# KiCad board Infernum breakout.kicad_pcb (continued)
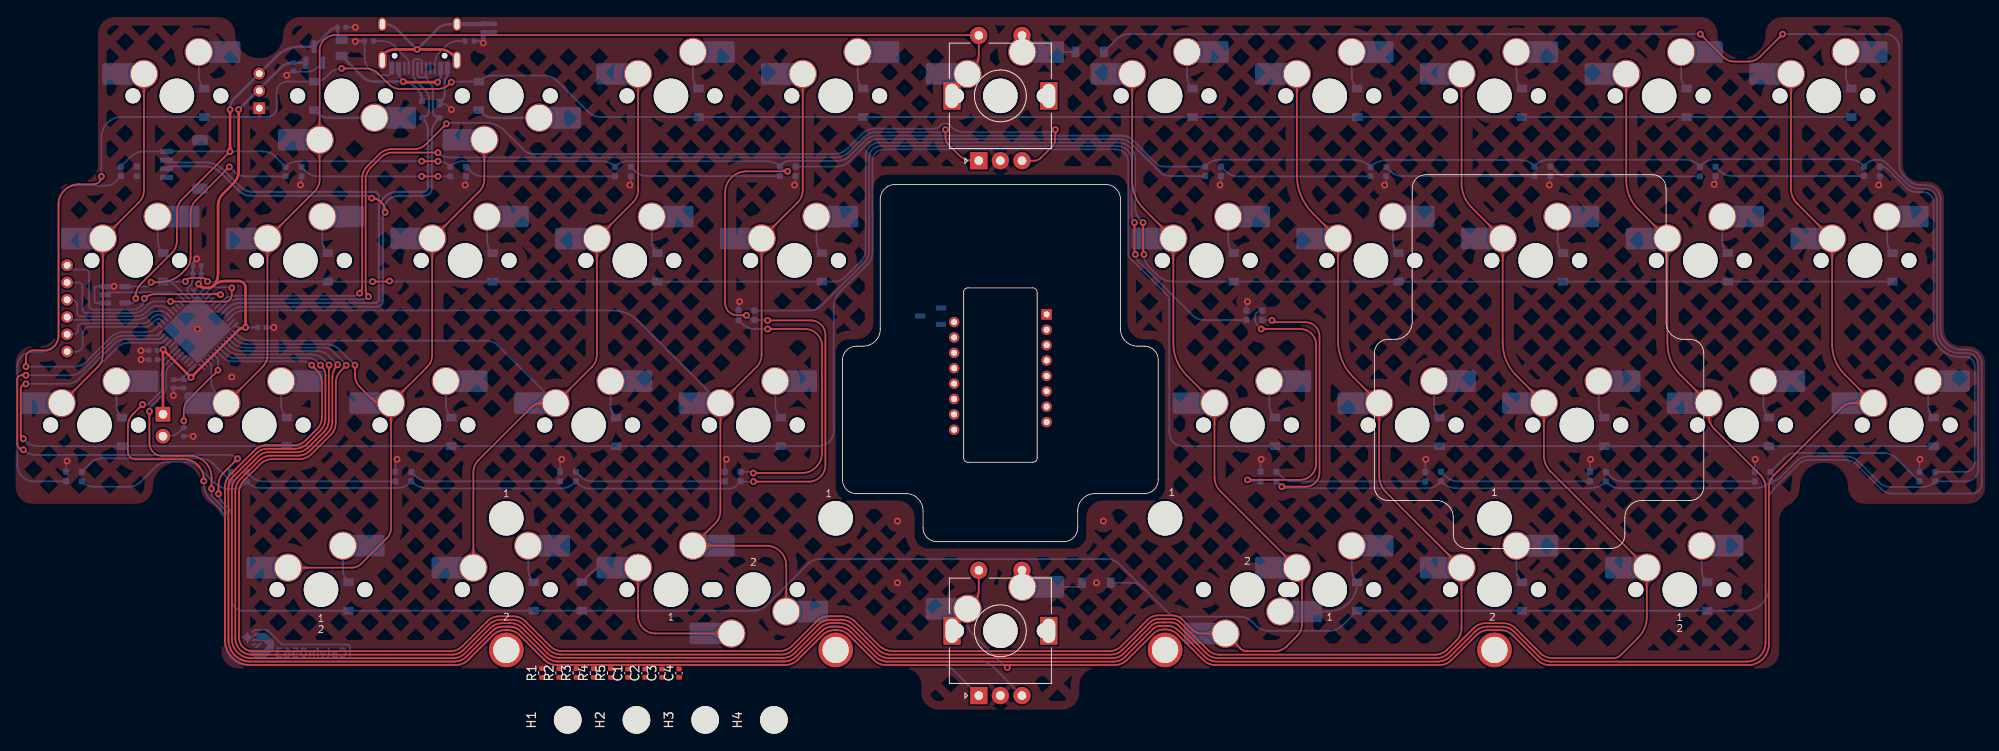
[diagram p0: board, top side]
## Routing (per net, layer and track width the routed paths; a pad name or vN(x,y) marks a point on that pad's centre or on a via; arc(x,y) is an arc through that point) (continued)
Net-(D24-A): length 4.4
  Bottom w0.2: D24.2 -45.29,15.19 arc(-45.73,15.84) -45.88,16.61 MX24.2
Net-(D25-A): length 4.4
  Bottom w0.2: D25.2 -26.24,15.19 arc(-26.68,15.84) -26.83,16.61 MX25.2
Net-(D26-A): length 4.4
  Bottom w0.2: MX26.2 -7.78,16.61 arc(-7.63,15.84) -7.19,15.19 D26.2
Net-(D27-A): length 4.4
  Bottom w0.2: MX27.2 49.37,16.61 arc(49.52,15.84) 49.96,15.19 D27.2
Net-(D28-A): length 4.4
  Bottom w0.2: D28.2 69.01,15.19 arc(68.57,15.84) 68.42,16.61 MX28.2
Net-(D29-A): length 4.4
  Bottom w0.2: MX29.2 87.47,16.61 arc(87.62,15.84) 88.06,15.19 D29.2
Net-(D30-A): length 4.4
  Bottom w0.2: D30.2 107.11,15.19 arc(106.67,15.84) 106.52,16.61 MX30.2
Net-(D31-A): length 4.4
  Bottom w0.2: MX31.2 125.57,16.61 arc(125.72,15.84) 126.16,15.19 D31.2
Net-(D32-A): length 4.4
  Bottom w0.2: D32.2 -57.2,-3.86 arc(-57.63,-3.21) -57.78,-2.44 MX57.2
Net-(D33-A): length 4.4
  Bottom w0.2: MX55.2 -36.35,-2.44 arc(-36.2,-3.21) -35.77,-3.86 D33.2
Net-(D34-A): length 24.7
  Top w0.2: MX59.2 -21.62,-9.84 arc(-23.06,-9.25) -23.65,-7.81 MX60.1
  Bottom w0.2: MX60.1 -27.65,-2.22 arc(-28.42,-2.37) -29.06,-2.81 D34.2
Net-(D35-A): length 7.2
  Bottom w0.2: 27.78,-3.91 27.24,-4.44 MX35.2
Net-(D36-A): length 17.3
  Bottom w0.2: MX61.1 56.14,-7.3 arc(58.54,-6.31) D36.2 arc(59.06,-3.2) 58.9,-2.37 MX62.2 ; MX61.1 56.3,-7.3
Net-(D37-A): length 4.4
  Bottom w0.2: MX56.2 77.95,-2.44 arc(78.1,-3.21) 78.53,-3.86 D37.2
Net-(D38-A): length 4.4
  Bottom w0.2: D38.2 99.96,-3.86 arc(99.53,-3.21) 99.38,-2.44 MX58.2
Net-(D39-DIN): length 17.6
  Top w0.2: v1(-46.79,43.08) v1(-48.69,43.08)
  Bottom w0.2: D39.3 -46.79,43.07 v1(-46.79,43.08) ; v1(-48.69,43.08) -60.66,43.08 arc(-61.42,43.23) -62.07,43.66 D47.1
Net-(D39-DOUT): length 17.6
  Bottom w0.2: D50.3 -41.61,43.07 arc(-42.37,43.23) -43.02,43.66 D39.1
Net-(D40-DIN): length 17.6
  Bottom w0.2: D50.1 -24,43.69 arc(-23.35,43.26) -22.59,43.11 D40.3
Net-(D40-DOUT): length 50.2
  Bottom w0.2: D40.1 -0.67,44.21 arc(0.11,44.36) 0.77,44.81 2.82,46.85 arc(3.41,47.25) 4.12,47.39 32.06,47.39 arc(32.83,47.24) 33.48,46.8 36.73,43.55 arc(37.22,43.22) 37.8,43.11 D41.3
Net-(D41-DOUT): length 17.7
  Bottom w0.2: D41.1 44.32,43.66 arc(44.97,43.23) 45.74,43.07 D55.3
Net-(D42-DIN): length 17.5
  Bottom w0.2: D42.3 64.79,43.11 arc(64.02,43.26) 63.37,43.69 62.89,44.17
Net-(D42-DOUT): length 17.7
  Bottom w0.2: 99.16,43.07 83.84,43.07 arc(83.07,43.23) 82.42,43.66 D42.1
Net-(D43-DIN): length 17.5
  Bottom w0.2: D43.3 102.89,43.11 arc(102.12,43.26) 101.47,43.69 D56.1
Net-(D43-DOUT): length 46.4
  Bottom w0.2: D44.3 129.87,8.87 arc(130.64,9.19) 130.96,9.96 130.96,21.11 arc(130.65,21.87) 129.9,22.18 129.12,22.18 arc(127.05,23.03) 126.2,25.1 126.2,40.07 arc(125.85,40.91) 125.02,41.26 124.21,41.26 arc(123.56,41.39) 123.01,41.76 120.88,43.88 arc(120.52,44.12) 120.1,44.21 D43.1
Net-(D44-DOUT): length 19.3
  Bottom w0.2: D44.1 121.86,10.47 arc(121.22,10.9) 120.45,11.05 110.35,11.05 arc(109.59,10.9) 108.94,10.47 D60.3
Net-(D45-DIN): length 34.7
  Top w0.2: v1(48.42,25.4) 52.95,25.4 arc(54.24,24.87) 54.77,23.58 54.77,9.82 arc(54.22,8.49) 52.89,7.94 v1(46.83,7.94)
  Bottom w0.2: v1(48.42,25.4) 48.01,25.81 arc(47.79,26.14) 47.71,26.52 47.71,26.86 arc(47.75,27.07) 47.88,27.25 47.89,27.27 arc(48.19,27.47) D45.3 ; v1(46.83,7.94) 47,7.77 D48.1
Net-(D45-DOUT): length 86.5
  Top w0.2: v1(33.75,37.73) 33.75,34.14 v1(33.86,34.03)
  Bottom w0.2: 31.75,46.59 4.43,46.59 arc(3.46,46.19) 3.07,45.23 3.07,37.31 3.07,37.31 3.07,34.47 arc(2.92,33.7) 2.49,33.05 -2.44,28.12 arc(-3.09,27.69) -3.86,27.54 D49.3 ; D45.1 41.81,26.44 arc(41.09,26.58) 40.48,26.99 34.16,33.3 arc(33.94,33.64) v1(33.86,34.03) ; 33.45,45.02 33.45,38.45 33.46,38.35 33.5,38.15 33.57,37.97 33.68,37.8 v1(33.75,37.73) ; 31.79,46.59 arc(32.97,46.1) 33.45,44.92
Net-(D46-DIN): length 17.6
  Bottom w0.2: D60.1 90.22,7.77 arc(89.45,7.92) 88.81,8.35 D46.3
Net-(D46-DOUT): length 17.6
  Bottom w0.2: D59.3 69.76,8.35 arc(70.4,7.92) 71.17,7.77 D46.1
Net-(D48-DIN): length 17.6
  Bottom w0.2: D48.3 50.71,8.35 arc(51.35,7.92) 52.12,7.77 D59.1
Net-(D49-DOUT): length 34.3
  Top w0.2: v1(-10.32,8.73) -4.71,8.73 arc(-3.06,9.41) -2.38,11.06 -2.38,23.44 arc(-2.96,24.83) -4.34,25.4 v1(-8.67,25.4)
  Bottom w0.2: v1(-8.67,25.4) -10.16,25.4 arc(-10.93,25.55) -11.58,25.99 D49.1 ; v1(-10.32,8.73) -10.46,8.87 D54.3
Net-(D51-DIN): length 49
  Bottom w0.2: D52.1 -93.52,7.77 arc(-94.89,8.33) -95.45,9.7 -95.45,21.04 arc(-94.96,22.23) -93.77,22.72 -92.61,22.72 arc(-91.25,23.28) -90.69,24.64 -90.69,39.92 -90.69,40.05 -90.65,40.32 -90.58,40.59 -90.48,40.84 -90.34,41.07 -90.18,41.29 -89.98,41.48 -89.77,41.65 -89.53,41.79 -89.28,41.89 -89.02,41.96 -88.74,42 -88.61,42 -85.01,42 -84.91,42 -84.7,42.04 -84.51,42.12 -84.34,42.24 -84.26,42.31 D51.3
Net-(D52-DIN): length 18.8
  Bottom w0.2: -70.76,7.77 -72.84,9.84 arc(-73.48,10.27) -74.25,10.42 -85.6,10.42 arc(-86.37,10.27) -87.01,9.84 -87.98,8.87
Net-(D53-DIN): length 17.6
  Bottom w0.2: D53.3 -49.37,8.35 arc(-48.72,7.92) -47.96,7.77 D58.1
Net-(D53-DOUT): length 17.6
  Bottom w0.2: D57.3 -68.42,8.35 arc(-67.77,7.92) -67.01,7.77 D53.1
Net-(D54-DOUT): length 17.6
  Bottom w0.2: -30.83,8.87 -30.32,8.35 arc(-29.67,7.92) -28.91,7.77 D54.1
Net-(USB1-CC1): length 5.8
  Bottom w0.2: R_USB1.1 -53.22,58.74 arc(-52.46,58.59) -51.81,58.15 -50.41,56.75 arc(-50.23,56.49) -50.17,56.18 USB1.4
Net-(USB1-CC2): length 5.4
  Bottom w0.2: R_USB2.1 -44.45,58.74 arc(-45.22,58.59) -45.87,58.15 -46.58,57.43 arc(-47.02,56.79) -47.17,56.02 USB1.10

## Copper pours and planes (outline as drawn; the poured copper is in the pictures)
GND on Top, Bottom: 134.67,68.41 134.47,-23.48 -99.01,-23.48 -98.91,68.52

Small or netless copper shapes (teardrops, artwork), in the pictures only: 140 on Top, 126 on Bottom

## Text on the board
Bottom: Calvin0563
B.Mask: Calvin0563
B.Silkscreen: A7 | A6 | A5 | A4 | B14 | B13 | 5V | 3v3 | GND | 1 / 2 | 1 | 2 | BOOT
F.Silkscreen: 1 / 2 | 1 | 2
